# KiCad board MES Main Board.kicad_pcb (continued)
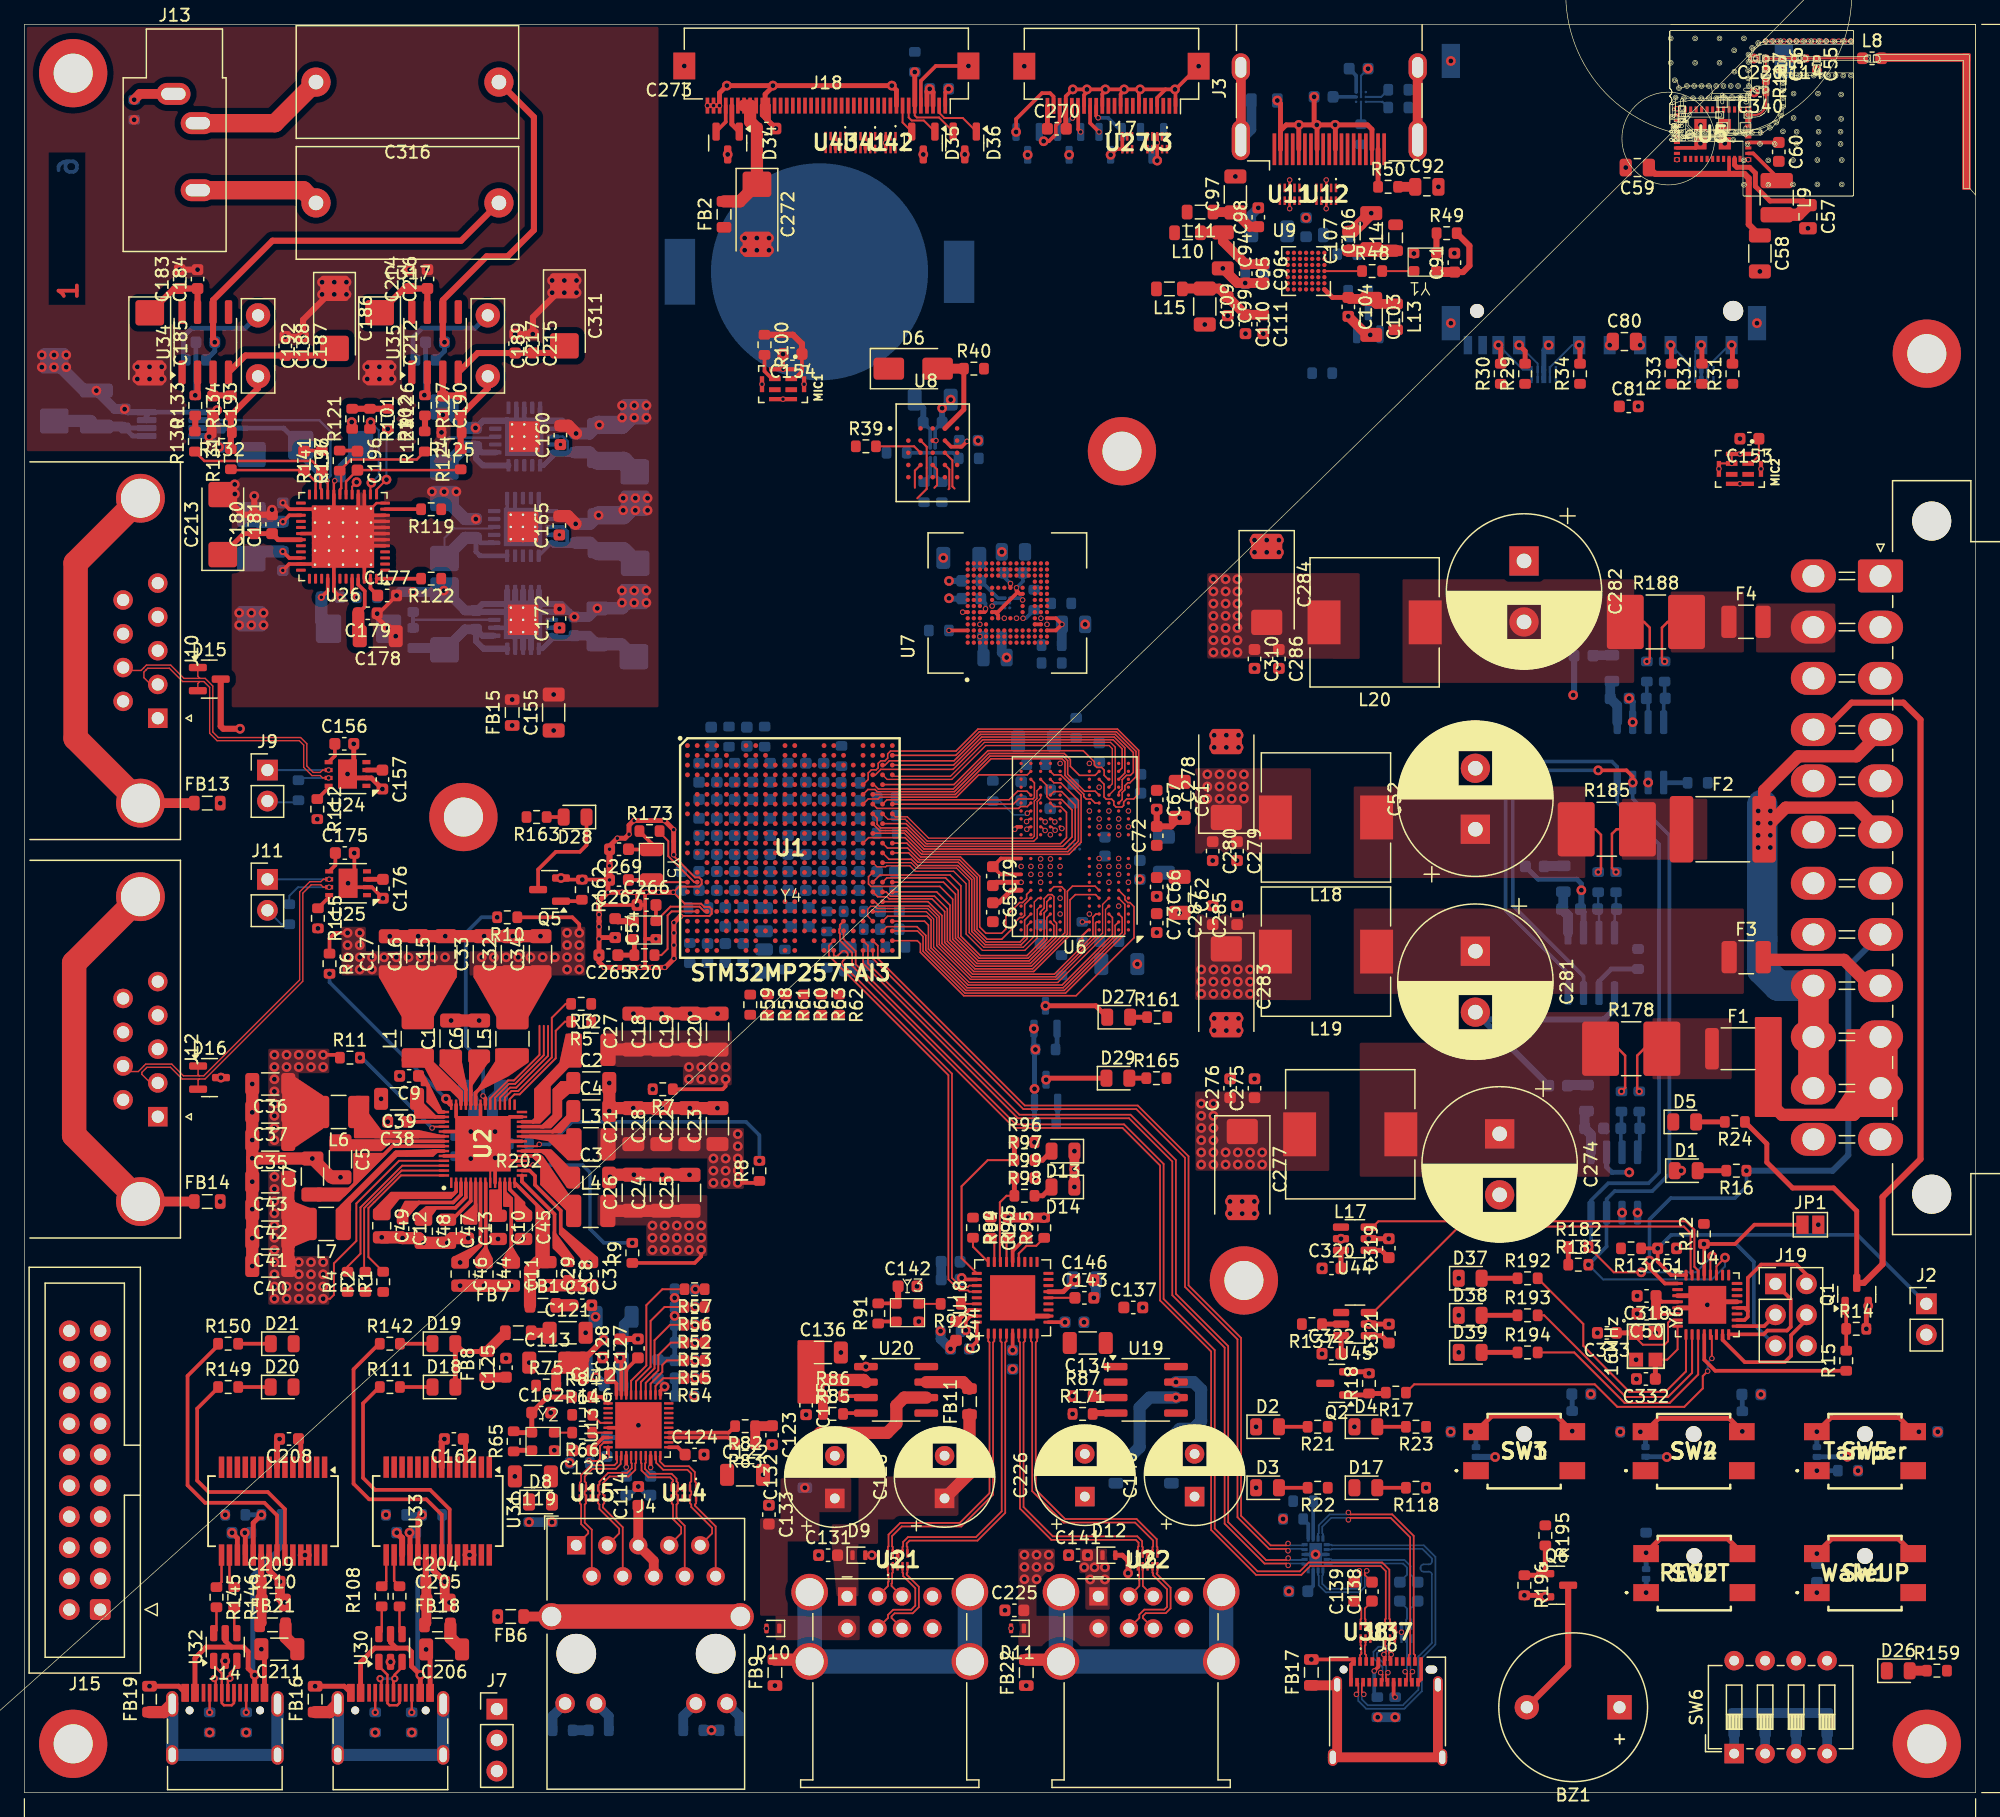
[diagram p0: board, top side]
## Footprints (pads in the part's own frame, mm; a bottom-side part is the same pattern mirrored in y, then rotated) (continued)
  round 0.5 hole 0.2: 49(-2.3,0) 49(-2.3,2.3) 49(-2.3,1.15) 49(-2.3,-1.15) 49(-2.3,-2.3) 49(-1.15,2.3) 49(-1.15,1.15) 49(-1.15,0) 49(-1.15,-1.15) 49(-1.15,-2.3) 49(0,2.3) 49(0,1.15) 49(0,0) 49(0,-1.15) 49(0,-2.3) 49(1.15,2.3) 49(1.15,1.15) 49(1.15,0) 49(1.15,-1.15) 49(1.15,-2.3) 49(2.3,2.3) 49(2.3,1.15) 49(2.3,-1.15) 49(2.3,-2.3) 49(2.3,0)
  rect 5.1x5.1 smd: 49(0,0)
  rect 5.1x5.1 smd far side: 49(0,0)
R_0402_1005Metric
  rrect 0.54x0.64 smd: 1(-0.51,0) 2(0.51,0)
R_0603_1608Metric
  rrect 0.8x0.95 smd: 1(-0.825,0) 2(0.825,0)
R_2816_7142Metric
  rrect 3.025x4.45 smd: 1(-2.513,0) 2(2.513,0)
RJ45_Wuerth_7499111446_Horizontal
  round 3.25 hole 3.25 unplated: (0,-8.89) (11.43,-8.89)
  rect 1.5x1.5 hole 0.9: 1(0,0)
  round 1.5 hole 0.9: 2(1.27,-2.54) 3(2.54,0) 4(3.81,-2.54) 5(5.08,0) 6(6.35,-2.54) 7(7.62,0) 8(8.89,-2.54) 9(10.16,0) 10(11.43,-2.54)
  round 1.6 hole 1.02: 11(-0.915,-12.97) 12(1.625,-12.97) 13(9.805,-12.97) 14(12.345,-12.97)
  round 2.2 hole 1.6: 15(13.46,-5.84) 16(-2.03,-5.84)
SOIC-8_3.9x4.9mm_P1.27mm
  rrect 1.95x0.6 smd: 1(-2.475,1.905) 2(-2.475,0.635) 3(-2.475,-0.635) 4(-2.475,-1.905) 5(2.475,-1.905) 6(2.475,-0.635) 7(2.475,0.635) 8(2.475,1.905)
SolderJumper-2_P1.3mm_Open_Pad1.0x1.5mm
  rect 1x1.5 smd: 1(-0.65,0) 2(0.65,0)
SOT-23
  rrect 1.475x0.6 smd: 1(-0.938,0.95) 2(-0.938,-0.95) 3(0.938,0)
SOT-23-6
  rrect 1.325x0.6 smd: 1(-1.137,0.95) 2(-1.137,0) 3(-1.137,-0.95) 4(1.137,-0.95) 5(1.137,0) 6(1.137,0.95)
SSOP-28_5.3x10.2mm_P0.65mm
  rect 1.75x0.45 smd: 1(-3.6,4.225) 2(-3.6,3.575) 3(-3.6,2.925) 4(-3.6,2.275) 5(-3.6,1.625) 6(-3.6,0.975) 7(-3.6,0.325) 8(-3.6,-0.325) 9(-3.6,-0.975) 10(-3.6,-1.625) 11(-3.6,-2.275) 12(-3.6,-2.925) 13(-3.6,-3.575) 14(-3.6,-4.225) 15(3.6,-4.225) 16(3.6,-3.575) 17(3.6,-2.925) 18(3.6,-2.275) 19(3.6,-1.625) 20(3.6,-0.975) 21(3.6,-0.325) 22(3.6,0.325) 23(3.6,0.975) 24(3.6,1.625) 25(3.6,2.275) 26(3.6,2.925) 27(3.6,3.575) 28(3.6,4.225)
ST_QFN-2L_1.6x1.0mm
  rrect 0.35x0.8 smd: 1(-0.525,0) 2(0.525,0)
SW_DIP_SPSTx04_Slide_6.7x11.72mm_W7.62mm_P2.54mm_LowProfile
  rect 1.6x1.6 hole 0.8: 1(0,0)
  oval 1.6x1.6 hole 0.8: 2(0,-2.54) 3(0,-5.08) 4(0,-7.62) 5(7.62,-7.62) 6(7.62,-5.08) 7(7.62,-2.54) 8(7.62,0)
Texas_DSBGA-6_0.95x1.488mm_Layout2x3_P0.4mm
  round 0.25 smd: A1(-0.2,0.4) A2(0.2,0.4) B1(-0.2,0) B2(0.2,0) C1(-0.2,-0.4) C2(0.2,-0.4)
Texas_RGW0020A_VQFN-20-1EP_5x5mm_P0.65mm_EP3.15x3.15mm_ThermalVias
  custom 0.464x0.464 smd: (-1.288,-1.288) (-1.288,1.288) (1.288,-1.288) (1.288,1.288)
  custom 0.464x0.806 smd: (-1.288,-0.5) (-1.288,0.5) (1.288,-0.5) (1.288,0.5)
  rrect 0.806x0.806 smd: (-0.5,-0.5) (-0.5,0.5) (0.5,-0.5) (0.5,0.5)
  custom 0.806x0.464 smd: (-0.5,-1.288) (-0.5,1.288) (0.5,-1.288) (0.5,1.288)
  rrect 1.025x0.35 smd: 1(-2.362,1.3) 2(-2.362,0.65) 3(-2.362,0) 4(-2.362,-0.65) 5(-2.362,-1.3) 11(2.362,-1.3) 12(2.362,-0.65) 13(2.362,0) 14(2.362,0.65) 15(2.362,1.3)
  rrect 0.35x1.025 smd: 6(-1.3,-2.362) 7(-0.65,-2.362) 8(0,-2.362) 9(0.65,-2.362) 10(1.3,-2.362) 16(1.3,2.362) 17(0.65,2.362) 18(0,2.362) 19(-0.65,2.362) 20(-1.3,2.362)
  round 0.5 hole 0.2: 21(-1,-1) 21(-1,0) 21(-1,1) 21(0,-1) 21(0,0) 21(0,1) 21(1,-1) 21(1,0) 21(1,1)
  rect 2.5x2.5 smd far side: 21(0,0)
  rect 3.15x3.15 smd: 21(0,0)
TLSMDT3C020GLFS
  round 1.3 hole 1.3 unplated: (0,1.4)
  rect 2.1x1.4 smd: 1(-3.95,-1.6) 2(-3.95,1.6) 2(3.95,1.6) 3(3.95,-1.6)
TSX-3225 16.0000MF18X-AC0
  rect 1.15x1.15 smd: 1(-1,-0.4) 2(1.2,-0.4) 3(1.2,1.2) 4(-1,1.2)
USB_A_Wuerth_61400826021_Horizontal_Stacked
  rect 1.5x1.5 hole 0.92: 1(0,0)
  round 1.5 hole 0.92: 2(2.5,0) 3(4.5,0) 4(7,0) 5(0,-2.62) 6(2.5,-2.62) 7(4.5,-2.62) 8(7,-2.62)
  round 3 hole 2.3: 9(-3.07,0.35) 9(-3.07,-5.33) 9(10.07,0.35) 9(10.07,-5.33)
USB_C_Receptacle_Amphenol_12401610E4-2A
  round 0.65 hole 0.65 unplated: (-3.6,4.36)
  oval 0.95x0.65 hole 0.95x0.65 unplated: (3.6,4.36)
  rect 0.3x0.7 smd: A1(-2.75,5.02) A2(-2.25,5.02) A3(-1.75,5.02) A4(-1.25,5.02) A5(-0.75,5.02) A6(-0.25,5.02) A7(0.25,5.02) A8(0.75,5.02) A9(1.25,5.02) A10(1.75,5.02) A11(2.25,5.02) A12(2.75,5.02) B1(2.5,3.32) B2(2,3.32) B3(1.5,3.32) B4(1,3.32) B5(0.5,3.32) B6(0,3.32) B7(-0.5,3.32) B8(-1,3.32) B9(-1.5,3.32) B10(-2,3.32) B11(-2.5,3.32) B12(-3,3.32)
  oval 0.8x1.4 hole 0.5x1.1: S1(-4.49,-2.84) S1(-4.13,3.11) S1(4.13,3.11) S1(4.49,-2.84)
USB_C_Receptacle_HRO_TYPE-C-31-M-12
  round 0.65 hole 0.65 unplated: (-2.89,2.6) (2.89,2.6)
  rect 0.6x1.45 smd: A1(-3.25,4.045) A4(-2.45,4.045) A9(2.45,4.045) A12(3.25,4.045) B1(3.25,4.045) B4(2.45,4.045) B9(-2.45,4.045) B12(-3.25,4.045)
  rect 0.3x1.45 smd: A5(-1.25,4.045) A6(-0.25,4.045) A7(0.25,4.045) A8(1.25,4.045) B5(1.75,4.045) B6(0.75,4.045) B7(-0.75,4.045) B8(-1.75,4.045)
  oval 1x2.1 hole 0.6x1.7: S1(-4.32,3.13) S1(4.32,3.13)
  oval 1x1.6 hole 0.6x1.2: S1(-4.32,-1.05) S1(4.32,-1.05)
VSSOP-8_3x3mm_P0.65mm
  rrect 1.625x0.5 smd: 1(-2.112,0.975) 2(-2.112,0.325) 3(-2.112,-0.325) 4(-2.112,-0.975) 5(2.112,-0.975) 6(2.112,-0.325) 7(2.112,0.325) 8(2.112,0.975)

## Nets
1.8V1_FB: R10.2 U2.35
+1.8V: C32.1 C33.1 C34.1 C53.1 C84.1 C85.1 C242.1 C248.1 C255.1 C260.1 C307.1 L5.2 L10.2 L12.2 L13.2 L14.2 L15.2 R10.1 R35.1 R36.1 R37.1 R38.2 R167.2 R177.1 U1.F6 U1.F10 U1.G17 U1.J16 U1.K8 U1.L8 U1.U17 U1.W18 U7.C6 U7.M4 U7.N4 U7.P3 U7.P5
+1V_AVDD_RGMII: C117.1 C118.1 C119.1 C120.1 R75.1 U13.3 U13.8 U13.38
+1V_DVDD_RGMII: C115.1 C116.1 R74.1 U13.21
+1V_RGMII: C112.2 C113.2 L16.2 R74.2 R75.2
+3.3V: C12.1 C40.1 C41.1 C42.1 C43.1 C58.1 C59.1 C60.1 C88.1 C91.1 C142.1 C145.1 C146.1 C147.1 C148.2 C149.2 C150.2 C151.2 C152.2 C153.1 C154.1 C156.1 C175.1 C178.2 C179.2 C206.1 C211.1 C240.2 C270.1 C271.1 C334.2 C335.1 C336.1 C337.2 C338.1 C339.2 C341.1 C342.2 D7.1 D18.2 D19.2 D20.2 D21.2 FB7.2 FB8.2 FB18.2 FB21.2 J15.1 J15.2 J17.22 J18.3 J18.4 L7.2 L11.2 MIC1.1 MIC2.1 R39.1 R40.2 R43.2 R49.2 R88.1 R89.1 R90.1 R91.2 R100.1 R101.1 R102.1 R119.1 R120.1 R121.2 R122.1 R159.2 R161.2 R163.2 R165.2 R176.1 R197.2 R198.2 R199.2 R200.2 R201.2 R202.2 R204.2 Temp1.A2 Temp2.A2 Temp3.A2 Temp4.A2 U2.3 U2.53 U5.30 U5.36 U8.B4 U18.5 U18.10 U18.15 U18.23 U18.29 U18.36 U24.5 U25.5 U26.45 U40.17 Y1.4 Y3.4
+3.3V_AVDD_RGMII: C122.1 C124.1 C125.1 C130.1 FB8.1 U13.11 U13.40
+3.3V_DVDD_RGMII: C102.1 C105.2 C108.2 C121.1 C123.1 C127.1 C128.1 C129.1 FB7.1 R65.2 R68.2 R70.1 R79.1 R82.1 R83.1 R84.1 U13.28 U13.29 Y2.4
+3.3V_USB: C45.1 R175.1 U2.13
+5V: C1.1 C2.1 C3.1 C4.1 C5.1 C6.1 C7.1 C8.1 C9.1 C10.1 C13.1 C89.1 C90.1 C134.1 C135.1 C136.1 C137.1 C157.1 C176.1 C278.1 C279.1 C280.1 FB2.1 L18.2 R22.1 R85.1 R86.1 U2.6 U2.11 U2.15 U2.20 U2.24 U2.25 U2.38 U2.39 U2.43 U2.49 U2.50 U10.B1 U10.C1 U19.2 U20.2 U24.3 U25.3
+5V_HDMI: C46.1 C92.1 R45.2 R46.2 R50.2 U2.7
+5V_VONN: C47.1 U2.5
+5VA: C166.1 C167.1 C180.1 C181.1 C198.1 C199.1 C200.1 C201.1 C202.1 C203.1 C213.1 U26.27 U26.31 U26.34 U26.40 U28.1 U28.3 U28.20
+5VREF: C182.1 C195.1 C221.1 U26.21 U36.6 U36.7
+5VSB: C50.1 C283.1 C285.1 C287.1 C318.1 C319.1 C321.1 C325.2 C328.2 C331.2 D5.1 FB3.2 FB12.2 FB20.2 J19.2 L19.2 R12.2 R13.2 R23.1 R137.2 R182.1 R183.1 R190.1 R191.1 U4.4 U4.6 U4.18 U4.20 U44.1 U45.1
+10VA: C173.1 C174.1 C183.1 C184.1 C185.1 C212.1 C214.1 C216.1 C218.1 C219.1 C312.1 U23.1 U23.3 U23.20 U34.7 U35.7 U36.1 U36.2
+12V: BZ1.1 C158.1 C159.1 C163.1 C164.1 C168.1 C275.1 C276.1 C277.1 C313.1 L17.2 R21.1 U23.13 U23.15 U23.16 U28.13 U28.15 U28.16
-10VA: C170.1 C171.2 C186.2 C187.2 C188.2 C215.2 C217.2 C311.2 R105.1 U29.1 U29.20 U34.4 U35.4
-12V: C169.2 C284.2 C286.1 C310.1 C314.1 C315.1 D17.1 L20.2 U29.13 U29.15 U29.16
GND:  .1  #3.1  #4.1  #5.1  #7.1 BT1.2 C1.2 C2.2 C3.2 C4.2 C5.2 C6.2 C7.2 C8.2 C9.2 C10.2 C11.2 C12.2 C13.2 C14.1 C15.2 C16.2 C17.2 C18.2 C19.2 C20.2 C21.2 C22.2 C23.2 C24.2 C25.2 C26.2 C27.2 C28.2 C29.2 C30.2 C31.2 C32.2 C33.2 C34.2 C35.2 C36.2 C37.2 C38.2 C39.2 C40.2 C41.2 C42.2 C43.2 C44.2 C45.2 C46.2 C47.2 C48.2 C49.2 C50.2 C51.1 C52.2 C53.2 C54.2 C55.2 C56.2 C57.2 C58.2 C59.2 C60.2 C61.2 C62.2 C63.2 C64.2 C65.2 C66.2 C67.2 C68.2 C69.2 C70.2 C71.2 C72.2 C73.2 C74.2 C75.2 C76.2 C77.2 C78.2 C79.2 C80.2 C81.2 C82.2 C83.2 C84.2 C85.2 C86.2 C87.2 C88.2 C89.2 C90.2 C91.2 C92.2 C93.1 C94.2 C95.2 C96.2 C97.2 C98.2 C99.2 C100.2 C101.2 C102.2 C103.2 C104.2 C105.1 C106.2 C107.2 C108.1 C109.2 C110.2 C111.2 C112.1 C113.1 C114.2 C115.2 C116.2 C117.2 C118.2 C119.2 C120.2 C121.2 C122.2 C123.2 C124.2 C125.2 C126.2 C127.2 C128.2 C129.2 C130.2 C131.1 C132.2 C133.1 C134.2 C135.2 C136.2 C137.2 C140.2 C141.1 C142.2 C143.2 C144.2 C145.2 C146.2 C147.2 C148.1 C149.1 C150.1 C151.1 C152.1 C153.2 C154.2 C155.1 C156.2 C157.2 C161.2 C162.2 C175.2 C176.2 C204.2 C205.2 C206.2 C207.2 C208.2 C209.2 C210.2 C211.2 C220.2 C222.1 C223.1 C224.1 C225.1 C226.2 C227.2 C228.2 C229.2 C230.2 C231.2 C232.2 C233.2 C234.2 C235.2 C236.2 C237.2 C240.1 C241.2 C242.2 C243.2 C244.2 C245.2 C246.2 C247.2 C248.2 C249.2 C250.2 C251.2 C252.2 C253.2 C254.2 C255.2 C256.2 C257.2 C258.2 C259.2 C260.2 C261.2 C262.2 C263.2 C264.2 C265.2 C266.1 C267.2 C268.2 C269.2 C270.2 C271.2 C272.2 C273.2 C274.2 C275.2 C276.2 C277.2 C278.2 C279.2 C280.2 C281.2 C282.1 C283.2 C284.1 C285.2 C286.2 C287.2 C288.2 C289.2 C290.2 C291.2 C292.2 C293.2 C294.2 C295.2 C296.2 C297.2 C298.2 C299.2 C300.2 C301.2 C302.2 C303.2 C304.2 C305.2 C306.2 C307.2 C308.2 C309.2 C310.2 C318.2 C319.2 C320.1 C321.2 C322.1 C324.1 C325.1 C327.1 C328.1 C330.1 C331.1 C332.2 C333.2 C334.1 C335.2 C336.2 C337.1 C338.2 C339.1 C340.2 C341.2 C342.1 D1.1 D2.1 D3.1 D4.1 D9.2 D10.2 D11.2 D12.2 D13.1 D14.1 D15.3 D16.3 D22.2 D23.2 D24.2 D25.2 D30.3 D31.3 D32.3 D33.3 D34.3 D35.3 D36.3 D37.1 D38.1 D39.1 FB5.2 FB6.2 FB9.1 FB13.2 FB14.2 FB15.1 FB16.2 FB17.2 FB19.2 FB22.1 J1.3 J1.5 J1.7 J1.15 J1.17 J1.18 J1.19 J1.24 J2.2 J3.2 J3.5 J3.8 J3.11 J3.17 J5.4 J5.8 J6.A1 J6.A12 J6.B1 J6.B12 J7.3 J8.A1 J8.A12 J8.B1 J8.B12 J10.3 J10.5 J10.6 J12.3 J12.5 J12.6 J14.A1 J14.A12 J14.B1 J14.B12 J15.4 J15.6 J15.8 J15.10 J15.12 J15.14 J15.16 J15.18 J15.20 J16.4 J16.8 J17.1 J17.4 J17.7 J17.10 J17.13 J17.16 J17.19 J17.23 J17.24 J18.1 J18.5 J18.9 J18.30 J18.31 J18.38 J18.39 J18.40 J18.41 J18.42 J19.6 JP1.2 MIC1.5 MIC2.2 MIC2.5 Q1.2 Q2.2 Q3.2 Q4.2 Q5.2 Q6.2 R14.2 R18.2 R25.1 R27.1 R41.2 R42.2 R51.2 R67.2 R69.1 R71.1 R72.1 R73.1 R76.1 R77.1 R78.1 R80.1 R81.1 R87.1 R93.2 R94.2 R95.2 R96.2 R99.2 R103.2 R104.2 R110.2 R112.2 R115.2 R118.1 R140.2 R143.2 R144.2 R148.2 R153.2 R155.1 R160.1 R162.1 R164.1 R166.2 R168.2 R169.2 R170.2 R171.1 R174.2 R180.2 R181.2 R196.2 SD1.3 SD1.6 SD1.G1 SD1.G2 SD1.G3 SD1.G4 SW1.1 SW2.1 Temp1.A1 Temp1.B2 Temp2.A1 Temp3.A1 Temp4.A1 U1.A1 U1.A22 U1.AB1 U1.AB22 U1.E5 U1.G6 U1.H8 U1.H10 U1.H12 U1.H14 U1.H16 U1.J9 U1.J11 U1.J13 U1.J15 U1.K10 U1.K12 U1.K14 U1.L9 U1.L11 U1.L13 U1.L15 U1.M7 U1.M10 U1.M12 U1.M14 U1.M20 U1.N7 U1.N9 U1.N11 U1.N13 U1.N15 U1.P8 U1.P10 U1.P12 U1.P14 U1.R9 U1.R11 U1.R13 U1.R15 U1.T4 U1.U6 U1.U7 U1.W5 U1.W8 U1.W16 U1.W19 U2.9 U2.10 U2.18 U2.22 U2.27 U2.36 U2.41 U2.47 U2.52 U2.57 U3.3 U3.8 U4.3 U4.5 U4.21 U4.33 U5.1 U5.12 U5.19 U5.21 U5.29 U5.32 U5.33 U5.35 U5.40 U5.42 U5.43 U5.44 U5.45 U5.46 U6.A3 U6.A10 U6.AB3 U6.AB5 U6.AB8 U6.AB10 U6.C1 U6.C5 U6.C8 U6.C12 U6.D2 U6.D4 U6.D9 U6.D11 U6.E1 U6.E5 U6.E8 U6.E12 U6.G1 U6.G3 U6.G5 U6.G8 U6.G10 U6.G12 U6.J1 U6.J3 U6.J10 U6.J12 U6.K2 U6.K4 U6.K9 U6.K11 U6.N2 U6.N4 U6.N9 U6.N11 U6.P1 U6.P3 U6.P10 U6.P12 U6.T1 U6.T3 U6.T5 U6.T8 U6.T10 U6.T12 U6.V1 U6.V5 U6.V8 U6.V12 U6.W2 U6.W4 U6.W9 U6.W11 U6.Y1 U6.Y5 U6.Y8 U6.Y12 U7.A6 U7.C4 U7.E7 U7.G5 U7.H10 U7.J5 U7.K8 U7.N2 U7.N5 U7.P4 U7.P6 U8.B3 U9.B2 U9.B3 U9.B5 U9.B6 U9.C7 U9.E1 U9.E7 U9.F1 U9.F7 U10.B2 U10.C2 U11.3 U11.8 U12.3 U12.8 U13.36 U13.41 U14.3 U14.8 U15.3 U15.8 U16.3 U16.8 U17.3 U17.8 U18.11 U18.37 U19.1 U20.1 U21.3 U21.8 U22.3 U22.8 U24.2 U24.9 U25.2 U25.9 U27.3 U27.4 U30.2 U31.7 U31.18 U31.21 U31.25 U31.26 U32.2 U33.7 U33.18 U33.21 U33.25 U33.26 U37.3 U37.4 U38.3 U38.4 U39.3 U39.4 U40.3 U40.12 U40.18 U40.19 U41.3 U41.8 U42.3 U42.4 U43.3 U43.8 U44.2 U44.5 U45.2 U46.1 U46.2 U46.6 U47.1 U47.6 U48.2 U48.6 Y1.2 Y2.2 Y3.2 Y4.2 Y6.2 Y6.4
GNDA: C155.2 C158.2 C159.2 C160.2 C163.2 C164.2 C165.2 C166.2 C167.2 C168.2 C169.1 C170.2 C171.1 C172.2 C173.2 C174.2 C177.2 C178.1 C179.1 C180.2 C181.2 C182.2 C183.2 C184.2 C185.2 C186.1 C187.1 C188.1 C190.2 C193.2 C195.2 C198.2 C199.2 C200.2 C201.2 C202.2 C203.2 C212.2 C213.2 C214.2 C215.1 C216.2 C217.1 C218.2 C219.2 C221.2 C311.1 C312.2 C313.2 C314.2 C315.2 FB15.2 R106.2 R125.2 R129.1 R132.2 U23.5 U23.7 U23.8 U23.10 U23.11 U23.21 U26.5 U26.6 U26.7 U26.8 U26.9 U26.10 U26.12 U26.15 U26.16 U26.20 U26.26 U26.30 U26.35 U26.41 U26.46 U26.49 U28.6 U28.7 U28.10 U28.21 U29.2 U29.4 U29.5 U29.6 U29.7 U29.8 U29.9 U29.10 U29.11 U29.12 U29.17 U29.18 U29.19 U29.21 U36.3 U36.4 U36.5 U36.8
VBUS_HOST_EN: R86.2 U18.12 U20.3
VBUS_HOST_EN2: R85.2 U18.16 U20.4
VBUS_HOST_EN3: R87.2 U18.18 U19.3
VBUS_HOST_EN4: R171.2 U18.20 U19.4
VBUS_HOST_FAULT2n: U18.17 U20.5
VBUS_HOST_FAULT3n: U18.19 U19.8
VBUS_HOST_FAULT4n: U18.21 U19.5
VBUS_HOST_FAULTn: U18.13 U20.8
VDD1_DDR: C39.1 C61.1 C62.1 C63.1 C64.1 C65.1 C66.1 C67.1 U2.44 U6.F1 U6.F12 U6.G4 U6.G9 U6.T4 U6.T9 U6.U1 U6.U12
VDD2_DDR: C35.1 C36.1 C37.1 C68.1 C69.1 C70.1 C71.1 C72.1 C73.1 C74.1 C75.1 C76.1 C77.1 C78.1 C79.1 C293.1 C294.1 C295.1 C296.1 C297.1 L6.2 R11.1 R26.1 U1.K15 U1.L14 U1.L16 U1.M15 U1.N14 U1.P15 U1.R14 U1.R16 U6.A4 U6.A9 U6.AA3 U6.AA5 U6.AA8 U6.AA10 U6.AB4 U6.AB9 U6.B3 U6.B5 U6.B8 U6.B10 U6.D1 U6.D5 U6.D8 U6.D12 U6.F3 U6.F5 U6.F8 U6.F10 U6.G2 U6.H1 U6.H5 U6.H8 U6.H12 U6.K1 U6.K3 U6.K10 U6.K12 U6.N1 U6.N3 U6.N10 U6.N12 U6.R1 U6.R5 U6.R8 U6.R12 U6.T2 U6.U3 U6.U5 U6.U8 U6.U10 U6.W1 U6.W5 U6.W8 U6.W12
VDD_CORE: C18.1 C19.1 C20.1 C27.1 C229.1 C230.1 C231.1 C232.1 C235.1 C236.1 C237.1 C241.1 C304.1 C305.1 L2.2 R7.1 R172.1 U1.D5 U1.G7 U1.H7 U1.H9 U1.J8 U1.J10 U1.K9 U1.K11 U1.L10
VDD_CORE1_FB: R7.2 U2.28
VDD_CPU: C15.1 C16.1 C17.1 C256.1 C257.1 C258.1 C259.1 C262.1 C263.1 C264.1 C268.1 L1.2 R6.1 U1.H11 U1.H13 U1.H15 U1.J12 U1.J14 U1.K13 U1.L12
VDD_CPU1_FB: R6.2 U2.42
VDD_DDR2_FB: R11.2 U2.46
VDD_EMMC: C31.1 C82.1 C83.1 U2.16 U7.E6 U7.F5 U7.J10 U7.K9
VDD_GPU: C21.1 C22.1 C23.1 C28.1 C244.1 C245.1 C246.1 C247.1 C249.1 C250.1 C251.1 C252.1 L3.2 R8.1 U1.M11 U1.M13 U1.N10 U1.N12 U1.P13 U1.R12
VDD_GPU1_FB: R8.2 U2.21
VDD_IO: C24.1 C25.1 C26.1 C288.1 C289.1 C290.1 C291.1 C292.1 C320.2 C322.2 L4.2 R9.1 U1.M9 U1.N8 U1.P9 U1.P11 U1.R8 U1.R10 U44.6 U45.6
VDD_IO1_FB: R9.2 U2.17
VDD_SDCARD: C48.1 C80.1 C81.1 C306.1 R29.1 R30.1 R31.1 R32.1 R33.1 R34.1 SD1.4 U1.G10 U2.4
VDDA1.8V_AON: C30.1 C54.1 C261.1 FB1.2 U1.R7 U1.T7 Y4.4
VDDIO: C308.1 C309.1 R139.1 R152.1 R156.1 R157.1 R158.1 SW3.1 SW4.1 U1.F8 U1.F9 U1.G8 U1.G9 U2.29
VDDIO_SDCARD: C49.1 U2.2
+BATT: BT1.1 C298.1 U1.P7
/AI/VLED: C272.1 C273.1 FB2.2 J18.32 J18.33 J18.34 J18.35
/ETHERNET/MDI_0N: J4.2 U13.2 U15.4 U15.7
/ETHERNET/MDI_0P: J4.1 U13.1 U15.5 U15.6
/ETHERNET/MDI_1N: J4.4 U13.5 U15.1 U15.10
/ETHERNET/MDI_1P: J4.3 U13.4 U15.2 U15.9
/ETHERNET/MDI_2N: J4.8 U13.7 U14.4 U14.7
/ETHERNET/MDI_2P: J4.7 U13.6 U14.5 U14.6
/ETHERNET/MDI_3N: J4.10 U13.10 U14.1 U14.10
/ETHERNET/MDI_3P: J4.9 U13.9 U14.2 U14.9
/Peripherals/CAN1_N: D15.1 J9.1 J10.7 U24.6
/Peripherals/CAN1_P: D15.2 J10.2 R113.2 U24.7
/Peripherals/CAN2_N: D16.1 J11.1 J12.7 U25.6
/Peripherals/CAN2_P: D16.2 J12.2 R116.2 U25.7
/Peripherals/USB3.0CTx1_N: C138.1 U38.5
/Peripherals/USB3.0CTx1_P: C139.1 U38.6
/Peripherals/USB3.0CTx2_N: C238.1 U39.5
/Peripherals/USB3.0CTx2_P: C239.1 U39.6
/Peripherals/USBDN1_N: U18.1 U21.10
/Peripherals/USBDN1_P: U18.2 U21.9
/Peripherals/USBDN2_N: U18.3 U21.7
/Peripherals/USBDN2_P: U18.4 U21.6
/Peripherals/USBDN3_N: U18.6 U22.10
/Peripherals/USBDN3_P: U18.7 U22.9
/Peripherals/USBDN4_N: U18.8 U22.7
/Peripherals/USBDN4_P: U18.9 U22.6
/Power PMIC/PSU_+5V: F2.2 J1.4 J1.6 J1.21 J1.22 J1.23
/Power PMIC/PSU_+5VSB: F3.2 J1.9
/Power PMIC/PSU_+12V: F1.2 J1.10 J1.11
/Power PMIC/PSU_-12V: F4.2 J1.14
/VIDEO/DSI_CLKN: U1.B8 U9.F2
/VIDEO/DSI_CLKP: U1.A8 U9.G2
/VIDEO/DSI_D0N: U1.B9 U9.F3
/VIDEO/DSI_D0P: U1.C9 U9.G3
/VIDEO/DSI_D1N: U1.E9 U9.F4
/VIDEO/DSI_D1P: U1.D9 U9.G4
/VIDEO/DSI_D2N: U1.D8 U9.F5
/VIDEO/DSI_D2P: U1.C8 U9.G5
/VIDEO/DSI_D3N: U1.B7 U9.F6
/VIDEO/DSI_D3P: U1.A7 U9.G6
/VIDEO/HDMI_RX0_N: J3.9 U12.4
/VIDEO/HDMI_RX0_P: J3.7 U12.5
/VIDEO/HDMI_RX1_N: J3.6 U11.1
/VIDEO/HDMI_RX1_P: J3.4 U11.2
/VIDEO/HDMI_RX2_N: J3.3 U11.4
/VIDEO/HDMI_RX2_P: J3.1 U11.5
/VIDEO/HDMI_RXCLK_N: J3.12 U12.1
/VIDEO/HDMI_RXCLK_P: J3.10 U12.2
/VIDEO/TMDS_CLK_N: U9.B7 U12.10
/VIDEO/TMDS_CLK_P: U9.A7 U12.9
/VIDEO/TMDS_D0_N: U9.A6 U12.7
/VIDEO/TMDS_D0_P: U9.A5 U12.6
/VIDEO/TMDS_D1_N: U9.A4 U11.10
/VIDEO/TMDS_D1_P: U9.A3 U11.9
/VIDEO/TMDS_D2_N: U9.A2 U11.7
/VIDEO/TMDS_D2_P: U9.A1 U11.6
AMISO: J19.1 U4.16
AMOSI: J19.4 U4.15
AReset: J19.5 JP1.1 R12.1 U4.29
AS6221_INT(DRAM): R200.1 Temp2.B1 U1.Y10
AS6221_INT(eMMC): R199.1 Temp1.B1 U1.W10
AS6221_INT(PMIC): R202.1 Temp3.B1 U1.Y9
AS6221_INT(QSPI): R204.1 Temp4.B1 U1.AB8
AS6221_SCL: R198.1 R205.2 Temp1.C1 Temp2.C1 Temp3.C1 Temp4.C1 U1.N6
AS6221_SDA: R197.1 R203.2 Temp1.C2 Temp2.C2 Temp3.C2 Temp4.C2 U1.N4
ASCK: J19.3 U4.17
ATmega328p_Rx: U4.30 U44.3
ATmega328p_Tx: U4.31 U45.3
Audio_Mute: R119.2 U1.U8 U26.11
Audio_Reset: R122.2 U1.T8 U26.48
BOOT0: SW6.8 U1.R4
BOOT1: SW6.7 U1.R3
BOOT2: SW6.6 U1.T2
BOOT3: SW6.5 U1.T1
BT_DEV_WAKE: U1.AB4 U5.39
BT_HOST_WAKE: U1.Y4 U5.38
BT_PCM_CLK: U1.E13 U5.11
BT_PCM_SDI: U1.E15 U5.9
BT_PCM_SDO: U1.H5 U5.10
BT_PCM_WS: U1.K4 U5.8
BT_REG_ON: U1.V9 U5.14
BT_UART_CTS: U1.F13 U5.4
BT_UART_RTS: U1.B12 U5.5
BT_UART_Rx: U1.F14 U5.2
BT_UART_Tx: U1.A11 U5.3
Button_Tamp: C224.2 D25.1 SW5.2 U1.P4
Button_user1: C223.2 R151.2 U1.E14
Button_user2: C222.2 R154.2 U1.H2
Buzzer: R195.1 U1.E10
CAM_EN: D32.1 J17.18 U1.G12
CAM_RST: D32.2 J17.17 U1.F12
CAM_ToF_INT: D30.1 J17.12 U1.H6
CAM_ToF_INT1: D31.2 J17.14 U1.J5
CAM_ToF_INT2: D31.1 J17.15 U1.J6
CAM_ToF_LPn: D30.2 J17.11 U1.G5
CSI_CLK_N: U1.D6 U27.6
CSI_CLK_P: U1.C6 U27.5
CSI_CLKcon_N: J17.8 U27.1
CSI_CLKcon_P: J17.9 U27.2
CSI_D0_N: U1.B5 U3.10
CSI_D0_P: U1.C5 U3.9
CSI_D0con_N: J17.2 U3.1
CSI_D0con_P: J17.3 U3.2
CSI_D1_N: U1.E7 U3.7
CSI_D1_P: U1.D7 U3.6
CSI_D1con_N: J17.5 U3.4
CSI_D1con_P: J17.6 U3.5
CTP_INT: D36.1 J18.2 U1.F11
CTP_RST: D36.2 J18.6 R176.2 U1.F15
d2+: J14.A6 J14.B6 U32.1
D2+: R145.1 U33.15
d2-: J14.A7 J14.B7 U32.3
D2-: R146.1 U33.16
D+: R107.1 U31.15
d+: J8.A6 J8.B6 U30.1
D-: R108.1 U31.16
d-: J8.A7 J8.B7 U30.3
DDR_CA0_A: U1.N16 U6.H2
DDR_CA0_B: U1.L18 U6.R2
DDR_CA1_A: U1.M17 U6.J2
DDR_CA1_B: U1.L17 U6.P2
DDR_CA2_A: U1.P19 U6.H9
DDR_CA2_B: U1.G18 U6.R9
DDR_CA3_A: U1.P18 U6.H10
DDR_CA3_B: U1.J19 U6.R10
DDR_CA4_A: U1.N18 U6.H11
DDR_CA4_B: U1.H17 U6.R11
DDR_CA5_A: U1.N17 U6.J11
DDR_CA5_B: U1.J17 U6.P11
DDR_CKE0_A: U1.M16 U6.J4
DDR_CKE0_B: U1.K19 U6.P4
DDR_CLK_A_N: U1.M19 U6.J9
DDR_CLK_A_P: U1.N19 U6.J8
DDR_CLK_B_N: U1.H18 U6.P9
DDR_CLK_B_P: U1.J18 U6.P8
DDR_CS0_A: U1.T18 U6.H4
DDR_CS0_B: U1.H19 U6.R4
DDR_DQ0_A: U1.W22 U6.B2
DDR_DQ0_B: U1.D20 U6.AA2
DDR_DQ1_A: U1.Y21 U6.C2
DDR_DQ1_B: U1.C22 U6.Y2
DDR_DQ2_A: U1.Y22 U6.E2
DDR_DQ2_B: U1.C21 U6.V2
DDR_DQ3_A: U1.AA22 U6.F2
DDR_DQ3_B: U1.B22 U6.U2
DDR_DQ4_A: U1.T21 U6.F4
DDR_DQ4_B: U1.F20 U6.U4
DDR_DQ5_A: U1.T20 U6.E4
DDR_DQ5_B: U1.F19 U6.V4
DDR_DQ6_A: U1.U21 U6.C4
DDR_DQ6_B: U1.E19 U6.Y4
DDR_DQ7_A: U1.U20 U6.B4
DDR_DQ7_B: U1.E20 U6.AA4
DDR_DQ8_A: U1.M21 U6.B11
DDR_DQ8_B: U1.G19 U6.AA11
DDR_DQ9_A: U1.M22 U6.C11
DDR_DQ9_B: U1.G22 U6.Y11
DDR_DQ10_A: U1.L21 U6.E11
DDR_DQ10_B: U1.G21 U6.V11
DDR_DQ11_A: U1.L22 U6.F11
DDR_DQ11_B: U1.G20 U6.U11
DDR_DQ12_A: U1.T22 U6.F9
DDR_DQ12_B: U1.J21 U6.U9
DDR_DQ13_A: U1.R20 U6.E9
DDR_DQ13_B: U1.J20 U6.V9
DDR_DQ14_A: U1.R21 U6.C9
DDR_DQ14_B: U1.K20 U6.Y9
DDR_DQ15_A: U1.R22 U6.B9
DDR_DQ15_B: U1.L19 U6.AA9
DDR_DQMI0_A: U1.W21 U6.C3
DDR_DQMI0_B: U1.E21 U6.Y3
DDR_DQMI1_A: U1.P20 U6.C10
DDR_DQMI1_B: U1.H20 U6.Y10
DDR_DQS0_A_N: U1.W20 U6.E3
DDR_DQS0_A_P: U1.V20 U6.D3
DDR_DQS0_B_N: U1.D22 U6.V3
DDR_DQS0_B_P: U1.D21 U6.W3
DDR_DQS1_A_N: U1.N21 U6.E10
DDR_DQS1_A_P: U1.N20 U6.D10
DDR_DQS1_B_N: U1.H21 U6.V10
DDR_DQS1_B_P: U1.H22 U6.W10
DDR_RESETN: R25.2 U1.F18 U6.T11
DebugA35_Rx: U1.C12 U31.1
DebugA35_Tx: U1.D12 U31.5
DebugM33_Rx: U1.H3 U33.1
DebugM33_Tx: U1.G3 U33.5
DISP_BLCTRL: D34.2 J18.37 U1.A12
DISP_LED_EN: D34.1 J18.36 U1.G11
eMMC_SDMMC2_CLK: R37.2 U1.A20 U7.M6
eMMC_SDMMC2_CMD: R38.1 U1.F17 U7.M5
eMMC_SDMMC2_D0: R35.2 U1.B19 U7.A3
eMMC_SDMMC2_D1: U1.E17 U7.A4
eMMC_SDMMC2_D2: U1.C18 U7.A5
eMMC_SDMMC2_D3: U1.C19 U7.B2
eMMC_SDMMC2_D4: U1.A19 U7.B3
eMMC_SDMMC2_D5: U1.D18 U7.B4
eMMC_SDMMC2_D6: U1.E16 U7.B5
eMMC_SDMMC2_D7: U1.D17 U7.B6
ETH1_CLK125: R64.1 U1.AB12
ETH1_MDC: R83.2 U1.V12 U13.13
ETH1_MDINT: R84.2 U1.U12 U13.31
ETH1_MDIO: R82.2 U1.V10 U13.14
ETH1_NRST: U1.M1 U13.12
ETH1_Rx_CLK: R57.1 R80.2 U1.U10
ETH1_Rx_CTL: R56.1 R81.2 U1.W12
ETH1_Rx_D0: R52.1 R76.2 U1.W11
ETH1_Rx_D1: R53.1 R77.2 U1.Y11
ETH1_Rx_D2: R55.1 R78.2 U1.AA11
ETH1_Rx_D3: R54.1 R79.2 U1.AB11
ETH1_Tx_CLK: R62.1 U1.AA12
ETH1_Tx_CTL: R63.1 U1.Y12
ETH1_Tx_D0: R59.1 U1.T10
ETH1_Tx_D1: R58.1 U1.V11
ETH1_Tx_D2: R61.1 U1.U11
ETH1_Tx_D3: R60.1 U1.T11
FDCAN_Rx1: U1.J3 U24.4
FDCAN_Rx2: U1.G1 U25.4
FDCAN_SHDN1: R112.1 U1.M4 U24.8
FDCAN_SHDN2: R115.1 U1.K2 U25.8
FDCAN_Tx1: U1.J4 U24.1
FDCAN_Tx2: U1.L3 U25.1
HDMI_I2S2_CLK: U1.C11 U9.C2
HDMI_I2S2_SDO: U1.E12 U9.C1
HDMI_I2S2_WS: U1.G13 U9.D3
HDMI_INT: R43.1 U1.D11 U9.D5
HDMI_RST: U1.G4 U9.C3
HS_IND: R98.1 R99.1 U18.25
HSE_IN: C266.2 U1.V3 Y4.3
HSE_OUT: R20.1 U1.V2
I2C2_SCL: U1.B11 U9.E6
I2C2_SDA: U1.D10 U9.E5
I2C3_SCL: R101.2 U1.W6 U26.14
I2C3_SDA: R102.2 U1.V13 U26.13
I2C4_SCL: D33.2 J17.20 U1.AA10
I2C4_SDA: D33.1 J17.21 U1.D13
I2C5_SCL: D35.1 J18.7 U1.W15
I2C5_SDA: D35.2 J18.8 U1.G14
I2C7_SCL: U1.F16 U2.33
I2C7_SDA: U1.G15 U2.34
INA219_SCL: R182.2 U4.28 U46.4 U47.4 U48.4
INA219_SDA: R183.2 U4.27 U46.3 U47.3 U48.3
JTAG_TCK: J15.9 U1.AA1
JTAG_TDI: J15.5 U1.AB2
JTAG_TDO: J15.13 U1.W1
JTAG_TMS: J15.7 U1.Y1
JTAG_TRST: J15.3 U1.AA2
LED1: D26.1 U1.AA15
LED2: Q3.1 R160.2 U1.C13
LED3: Q4.1 R164.2 U1.U5
LED4: Q5.1 R162.2 U1.W2
LPO_32: U1.M6 U5.37
LVDS1_CLK_N: U1.F5 U43.10
LVDS1_CLK_P: U1.F4 U43.9
LVDS1_CLKcon_N: J18.16 U43.1
LVDS1_CLKcon_P: J18.17 U43.2
LVDS1_D0_N: U1.D3 U42.6
LVDS1_D0_P: U1.D4 U42.5
LVDS1_D0con_N: J18.10 U42.1
LVDS1_D0con_P: J18.11 U42.2
LVDS1_D1_N: U1.D1 U41.10
LVDS1_D1_P: U1.D2 U41.9
LVDS1_D1con_N: J18.12 U41.1
LVDS1_D1con_P: J18.13 U41.2
LVDS1_D2_N: U1.E4 U41.7
LVDS1_D2_P: U1.E3 U41.6
LVDS1_D2con_N: J18.14 U41.4
LVDS1_D2con_P: J18.15 U41.5
LVDS1_D3_N: U1.F3 U43.7
LVDS1_D3_P: U1.F2 U43.6
LVDS1_D3con_N: J18.18 U43.4
LVDS1_D3con_P: J18.19 U43.5
MIC_CLK: MIC1.3 MIC2.3 U1.Y14
MIC_DATA: MIC1.4 MIC2.4 U1.V14
MPU_WAKEUP: U1.Y2 U2.32
NRST: D6.1 D22.1 J15.15 R3.1 R139.2 SW2.2 U1.U3
NRSTC1MS: R4.1 R19.2 U1.T3
OCP_LED: R193.2 U4.10
OSC32_IN: C267.1 U1.R1 Y5.2
OSC32_OUT: R173.2 U1.R2
OVP_LED: R194.2 U4.11
PMIC_LED: R192.2 U4.9
PMIC_Rx: U1.J7 U44.4
PMIC_Tx: U1.L6 U45.4
PONKEYN: C14.2 Q2.3 SW1.2 U2.1
Power_On/Off: R15.1 U4.12
PS_ON: J1.16 Q1.3 R24.1
PSU_SW: C51.2 J2.1 R13.1 U4.32
PWR_CPU_ON: R2.1 R19.1 U1.T6
PWR_OK: J1.8 R16.1 U1.L1 U4.1
PWR_ON: R1.1 U1.T5
QSPI1_CLK: U1.D14 U8.B2
QSPI1_CS: R39.2 U1.C15 U8.C2
QSPI1_IO0: U1.C14 U8.D3
QSPI1_IO1: U1.B15 U8.D2
QSPI1_IO2: U1.A15 U8.C4
QSPI1_IO3: U1.D15 U8.D4
RFID_Rx: J7.1 U1.Y15
RFID_Tx: J7.2 U1.U13
SAI2_FSA: U1.AA3 U26.3
SAI2_MCLKA: U1.AB7 U26.1
SAI2_SCKA: U1.M5 U26.2
SAI2_SDA: U1.L2 U26.4
SD_SDMMC1_CLK: R28.2 U1.D16
SD_SDMMC1_CMD: R33.2 SD1.2 U1.C16 U17.1 U17.10
SD_SDMMC1_D0: R29.2 SD1.7 U1.B17 U16.2 U16.9
SD_SDMMC1_D1: R30.2 SD1.8 U1.C17 U16.1 U16.10
SD_SDMMC1_D2: R31.2 SD1.9 U1.A16 U17.4 U17.7
SD_SDMMC1_D3: R32.2 SD1.1 U1.B16 U17.2 U17.9
SD_SDMMC1_INT: SD1.CD_IND U1.B13
SD_SDMMC1_WP: SD1.WP U1.W9
STPMIC25_WakeUP: R17.1 U4.13
SUSP_IND: R96.1 R97.1 U18.28
TX10_N: C138.2 U40.16
TX10_P: C139.2 U40.15
TX20_N: C238.2 U40.14
TX20_P: C239.2 U40.13
USB1CON_N: J5.2 U21.1
USB1CON_P: J5.3 U21.2
USB2CON_N: J5.6 U21.4
USB2CON_P: J5.7 U21.5
USB3.0C_RX1_N: J6.B10 U40.11
USB3.0C_RX1_P: J6.B11 U40.10
USB3.0C_RX2_N: J6.A10 U40.9
USB3.0C_RX2_P: J6.A11 U40.8
USB3.0C_TX1_N: J6.A3 U38.2
USB3.0C_TX1_P: J6.A2 U38.1
USB3.0C_TX2_N: J6.B3 U39.2
USB3.0C_TX2_P: J6.B2 U39.1
USB3.0RX_N: U1.AB20 U40.4
USB3.0RX_P: U1.AA20 U40.5
USB3.0TX_N: U1.AB19 U40.1
USB3.0TX_P: U1.AA19 U40.2
USB3CON_N: J16.2 U22.1
USB3CON_P: J16.3 U22.2
USB4CON_N: J16.6 U22.4
USB4CON_P: J16.7 U22.5
USBD_N: J6.A7 J6.B7 U37.2
USBD_P: J6.A6 J6.B6 U37.1
USBDR_N: U1.Y17 U37.5
USBDR_P: U1.W17 U37.6
USBH_N: U1.AB16 U18.30
USBH_P: U1.AA16 U18.31
USBSW_OE: R88.2 U1.AB15 U40.7
USBSW_S: R166.1 U1.W14 U40.6
USBVcc: J8.A4 J8.A9 J8.B4 J8.B9 R109.1 U30.5
USBVcc2: J14.A4 J14.A9 J14.B4 J14.B9 R147.1 U32.5
VREF+: C302.1 C303.1 R177.2 U1.Y5
WAKEUPn: R5.1 U1.P6
WiFi_HOST_WAKE: U1.W4 U5.27
WiFi_REG_ON: U1.L5 U5.28
WiFi_SDMMC3_CLK: U1.D19 U5.20
WiFi_SDMMC3_CMD: U1.A21 U5.22
WiFi_SDMMC3_D0: U1.C20 U5.24
WiFi_SDMMC3_D1: U1.B21 U5.26
WiFi_SDMMC3_D2: U1.B20 U5.23
WiFi_SDMMC3_D3: U1.E18 U5.25
Net-(AE1-A): L8.2
Net-(BZ1--): BZ1.2 Q6.3
Net-(C52-Pad1): C52.1 L18.1 R184.1 R185.1
Net-(C55-Pad1): C55.1 L8.1 R114.1
Net-(C94-Pad1): C94.1 C95.1 C96.1 L10.1 U9.D4 U9.E3
Net-(C109-Pad1): C99.1 C109.1 C110.1 C111.1 L15.1 U9.E2 U9.E4 U9.G1
Net-(C189-Pad1): C189.1 R123.2 R126.1 R128.1
